# Altium PCB BLDC_DRIVER_1.1.PcbDoc
Units mil, origin at the board's own origin, x right, y up, seen from the top; angles counter-clockwise.
Board outline 6000 x 4990 mil, 6 copper layers (Top Layer, Internal Plane 1, Signal Layer 1, Signal Layer 2, Internal Plane 2, Bottom Layer), stack 51.168 mil thick; 192 components, 186 nets, 852 pads, 21 vias.
Unrouted connection lines stored in the file: 414.
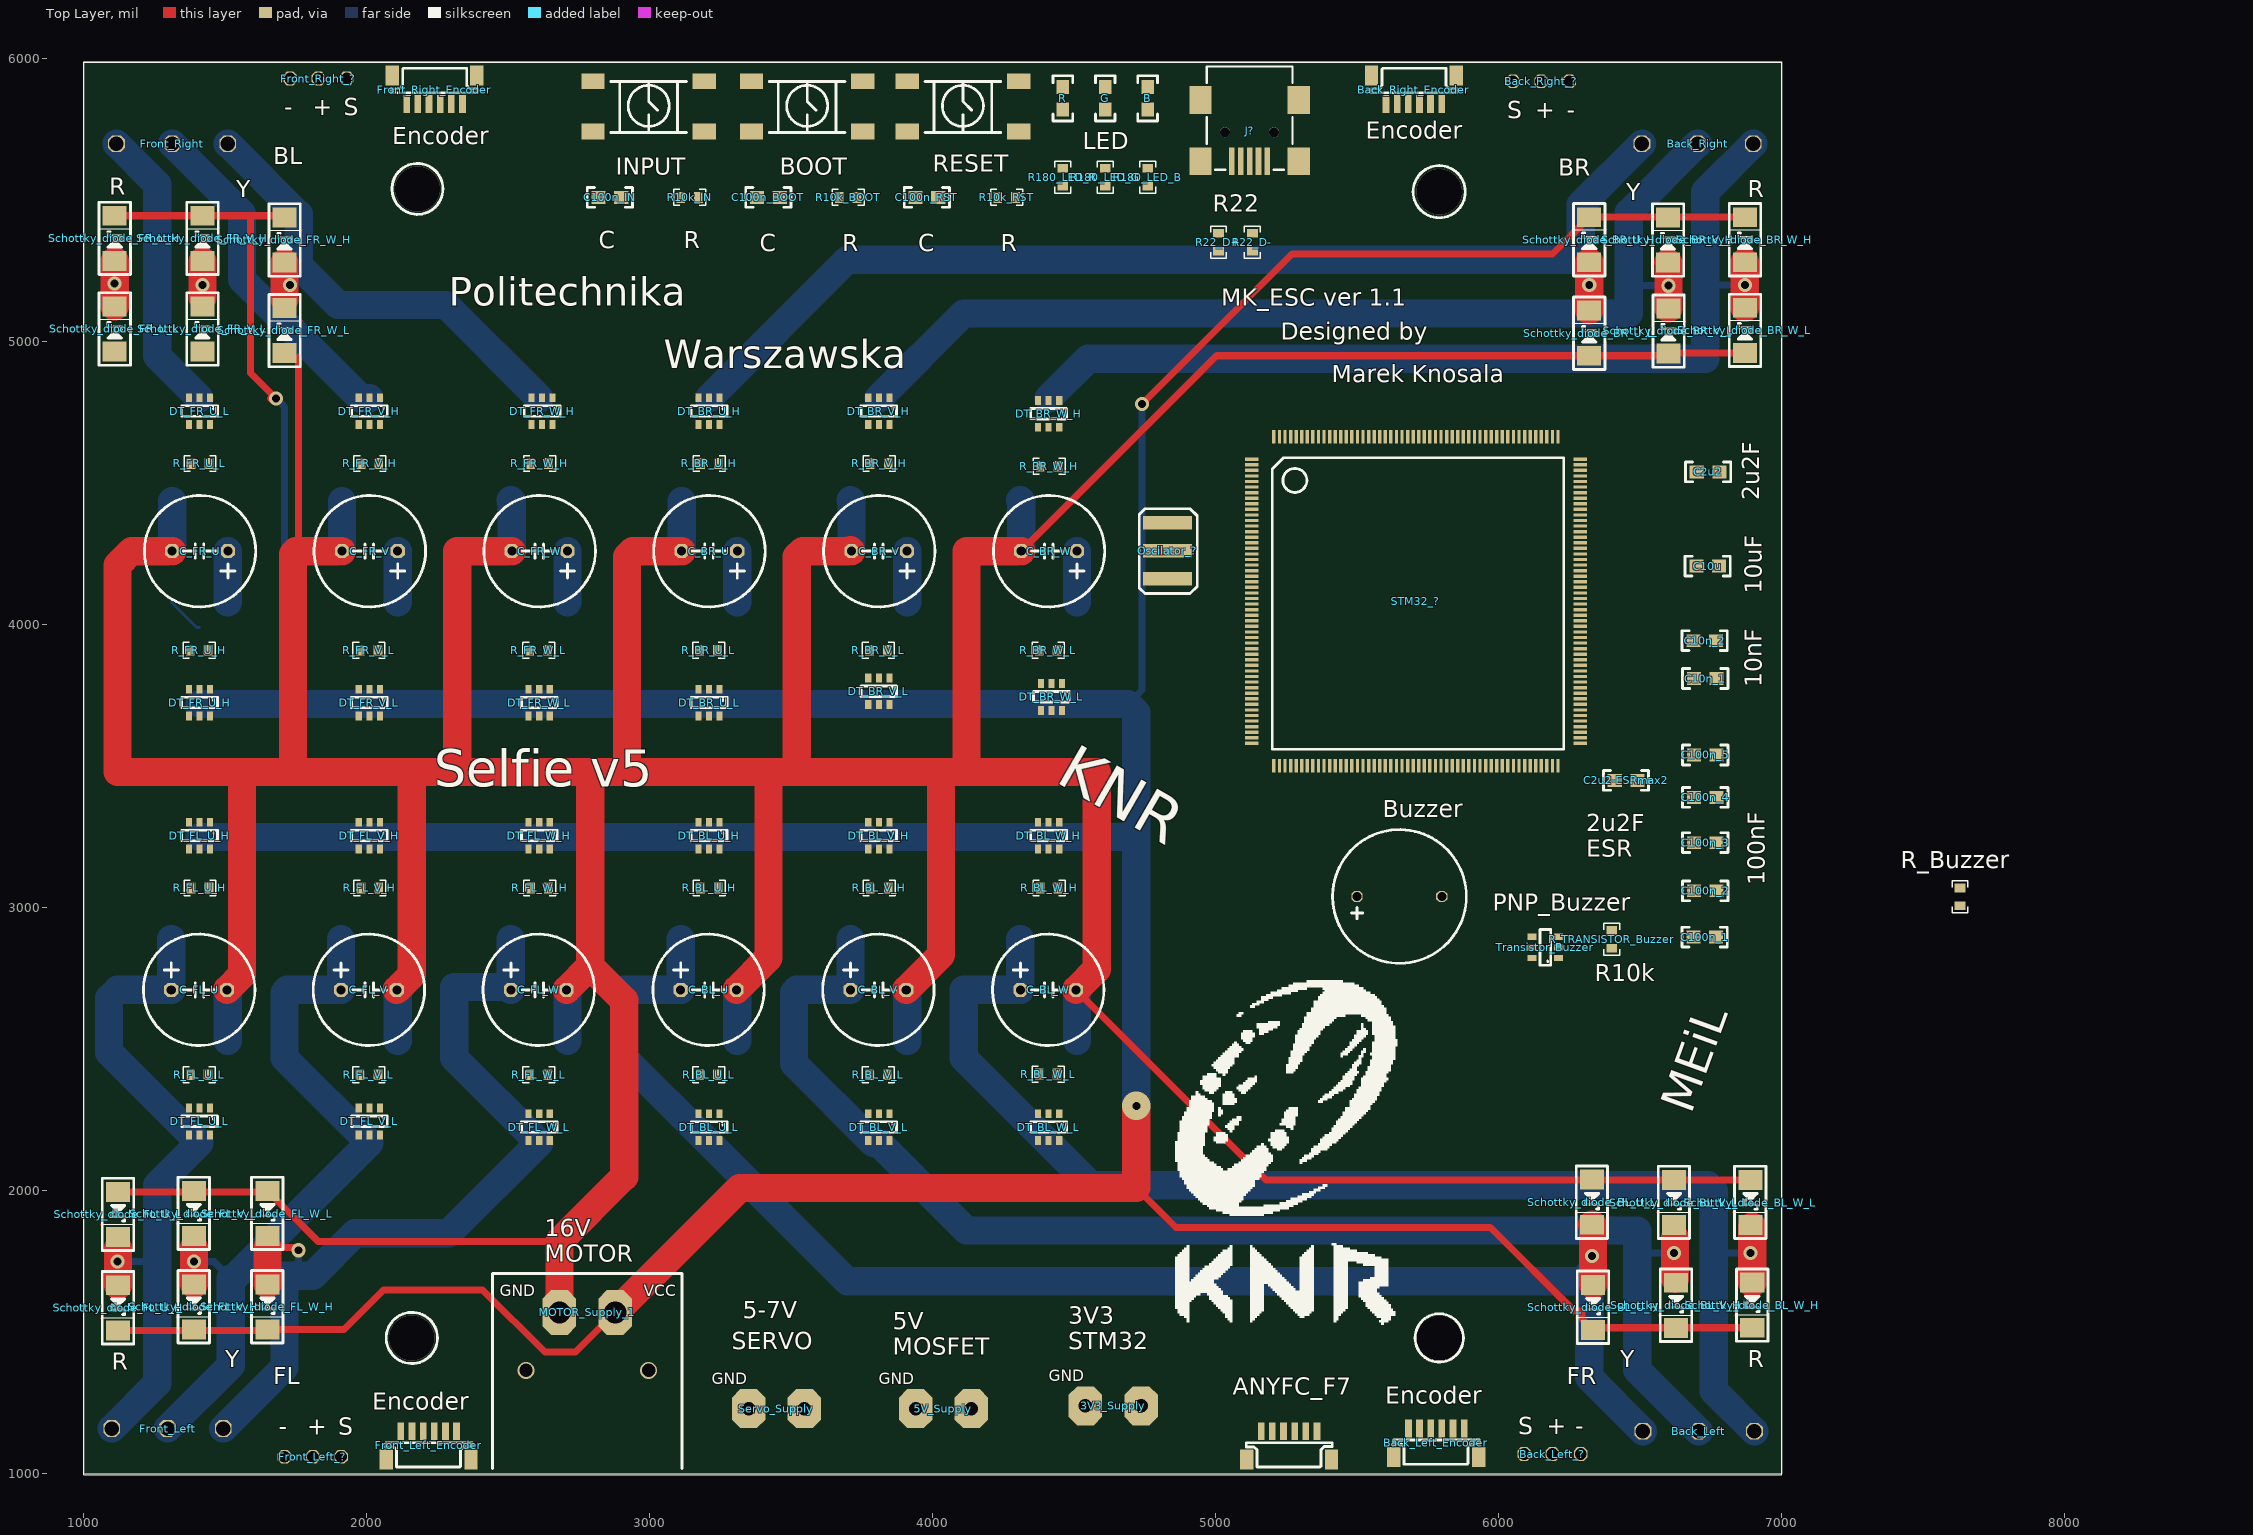
[diagram p0: Top Layer view]
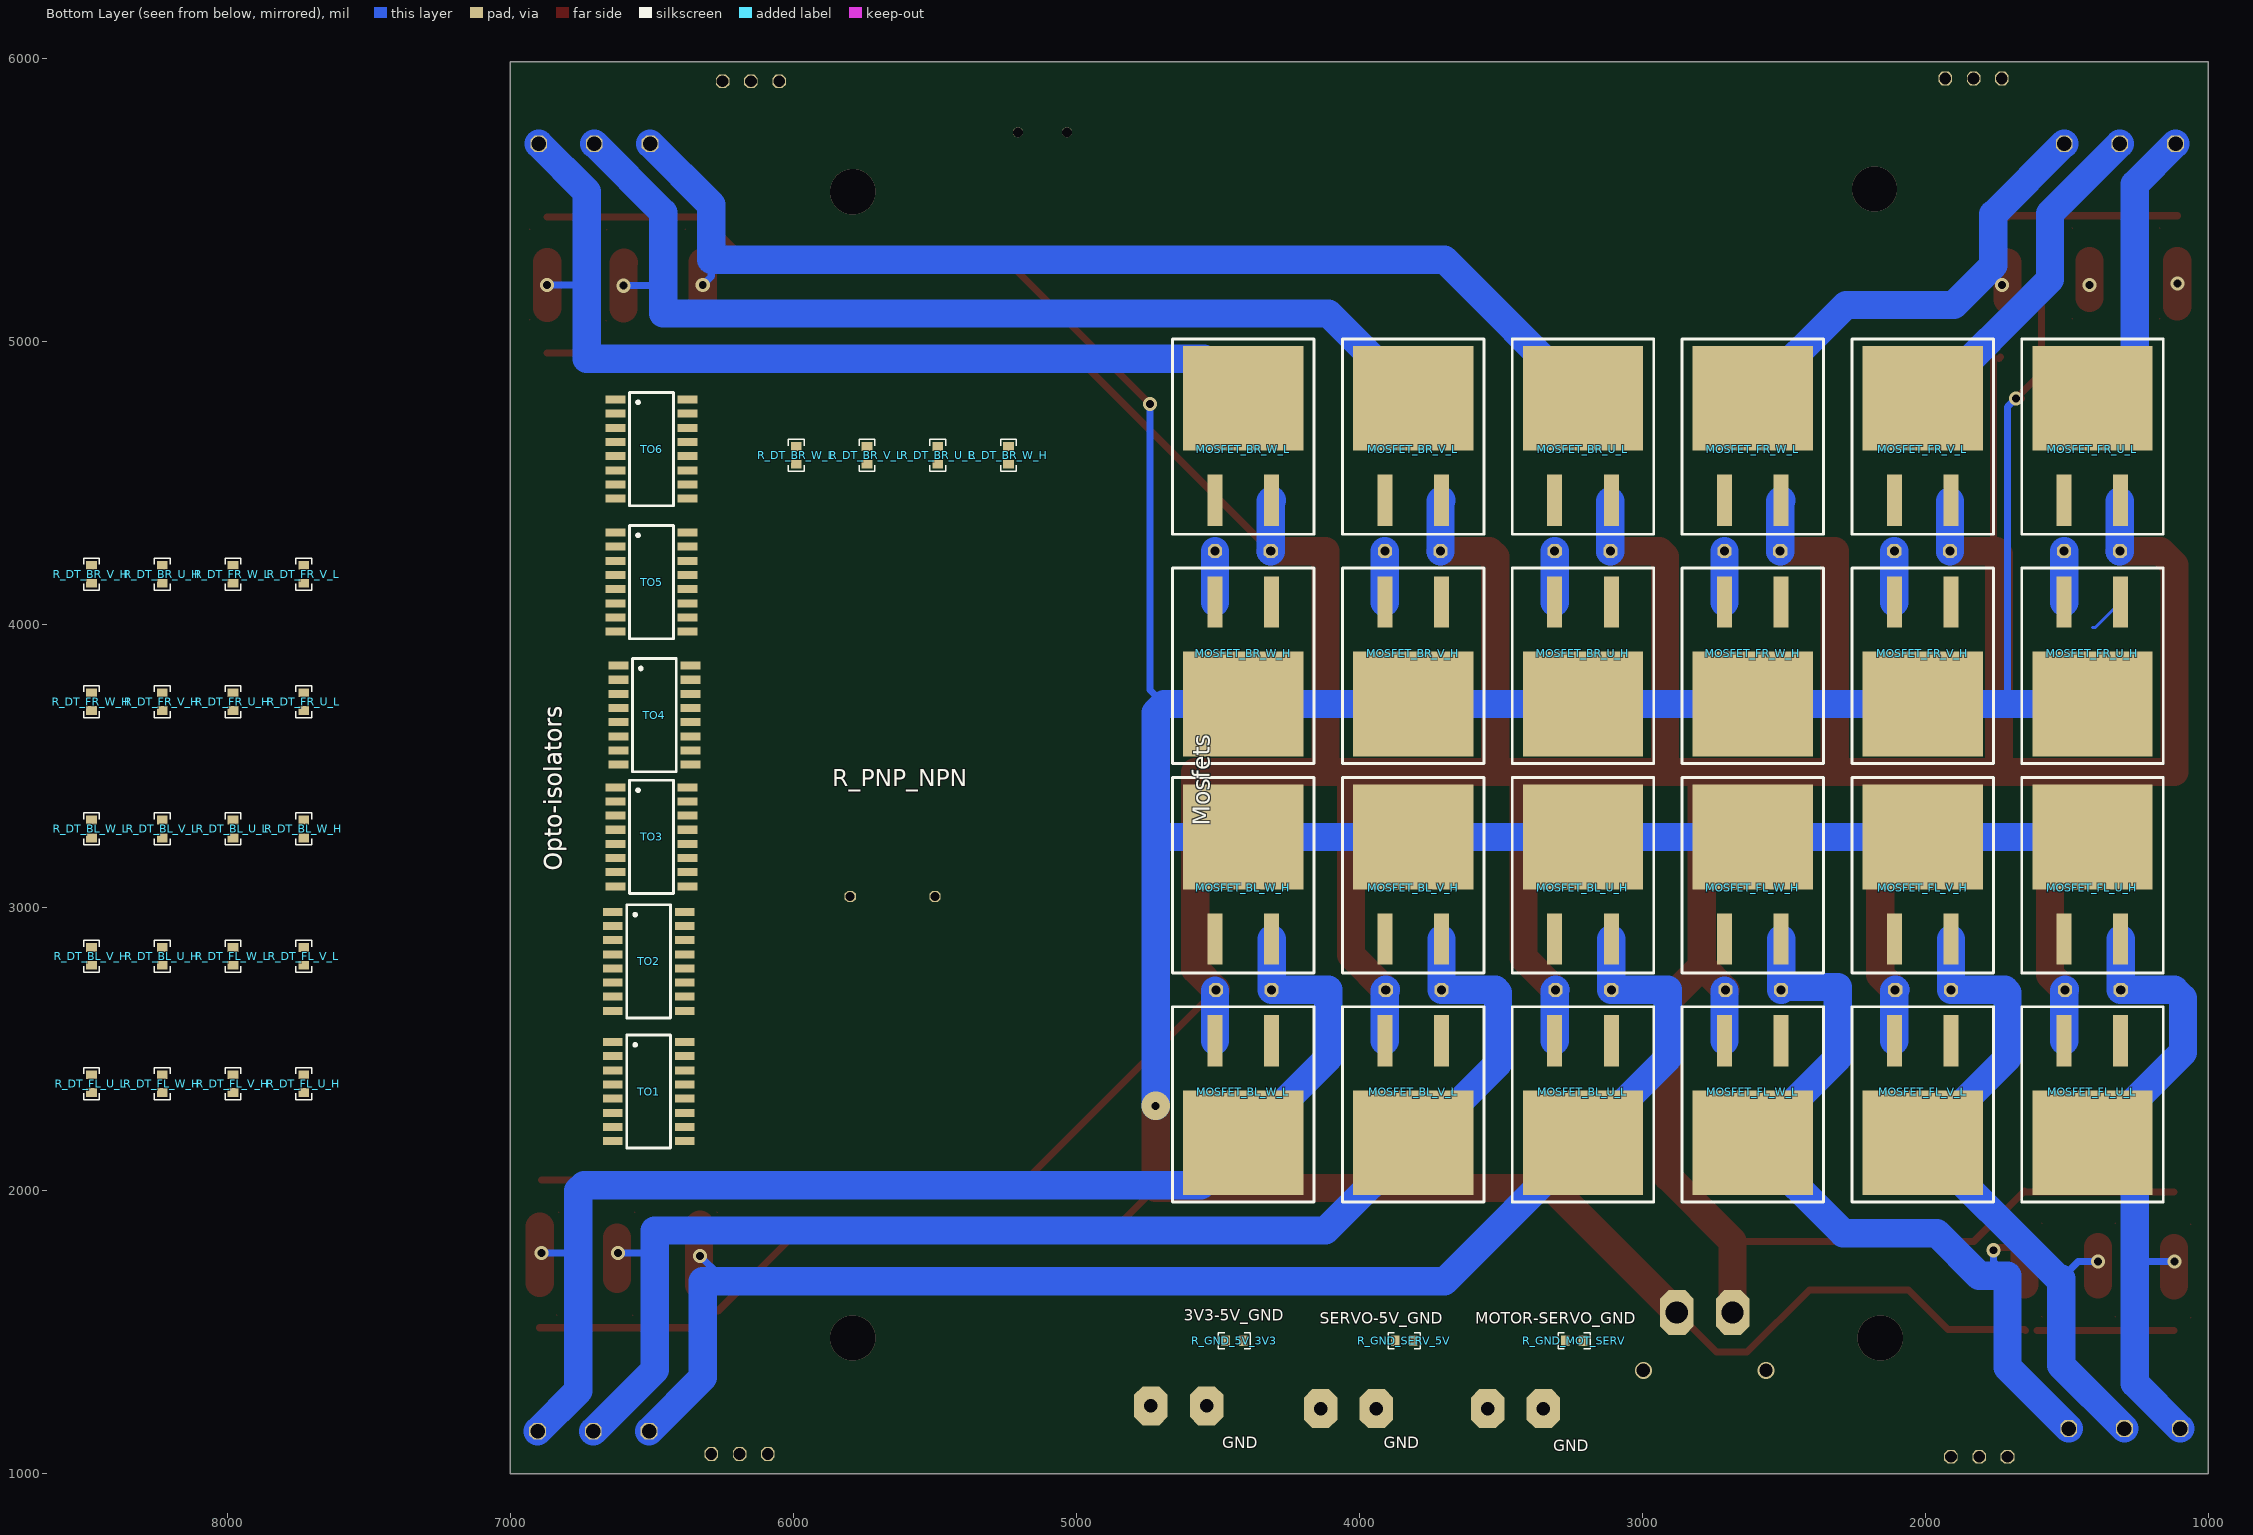
[diagram p1: Bottom Layer view, seen from below]
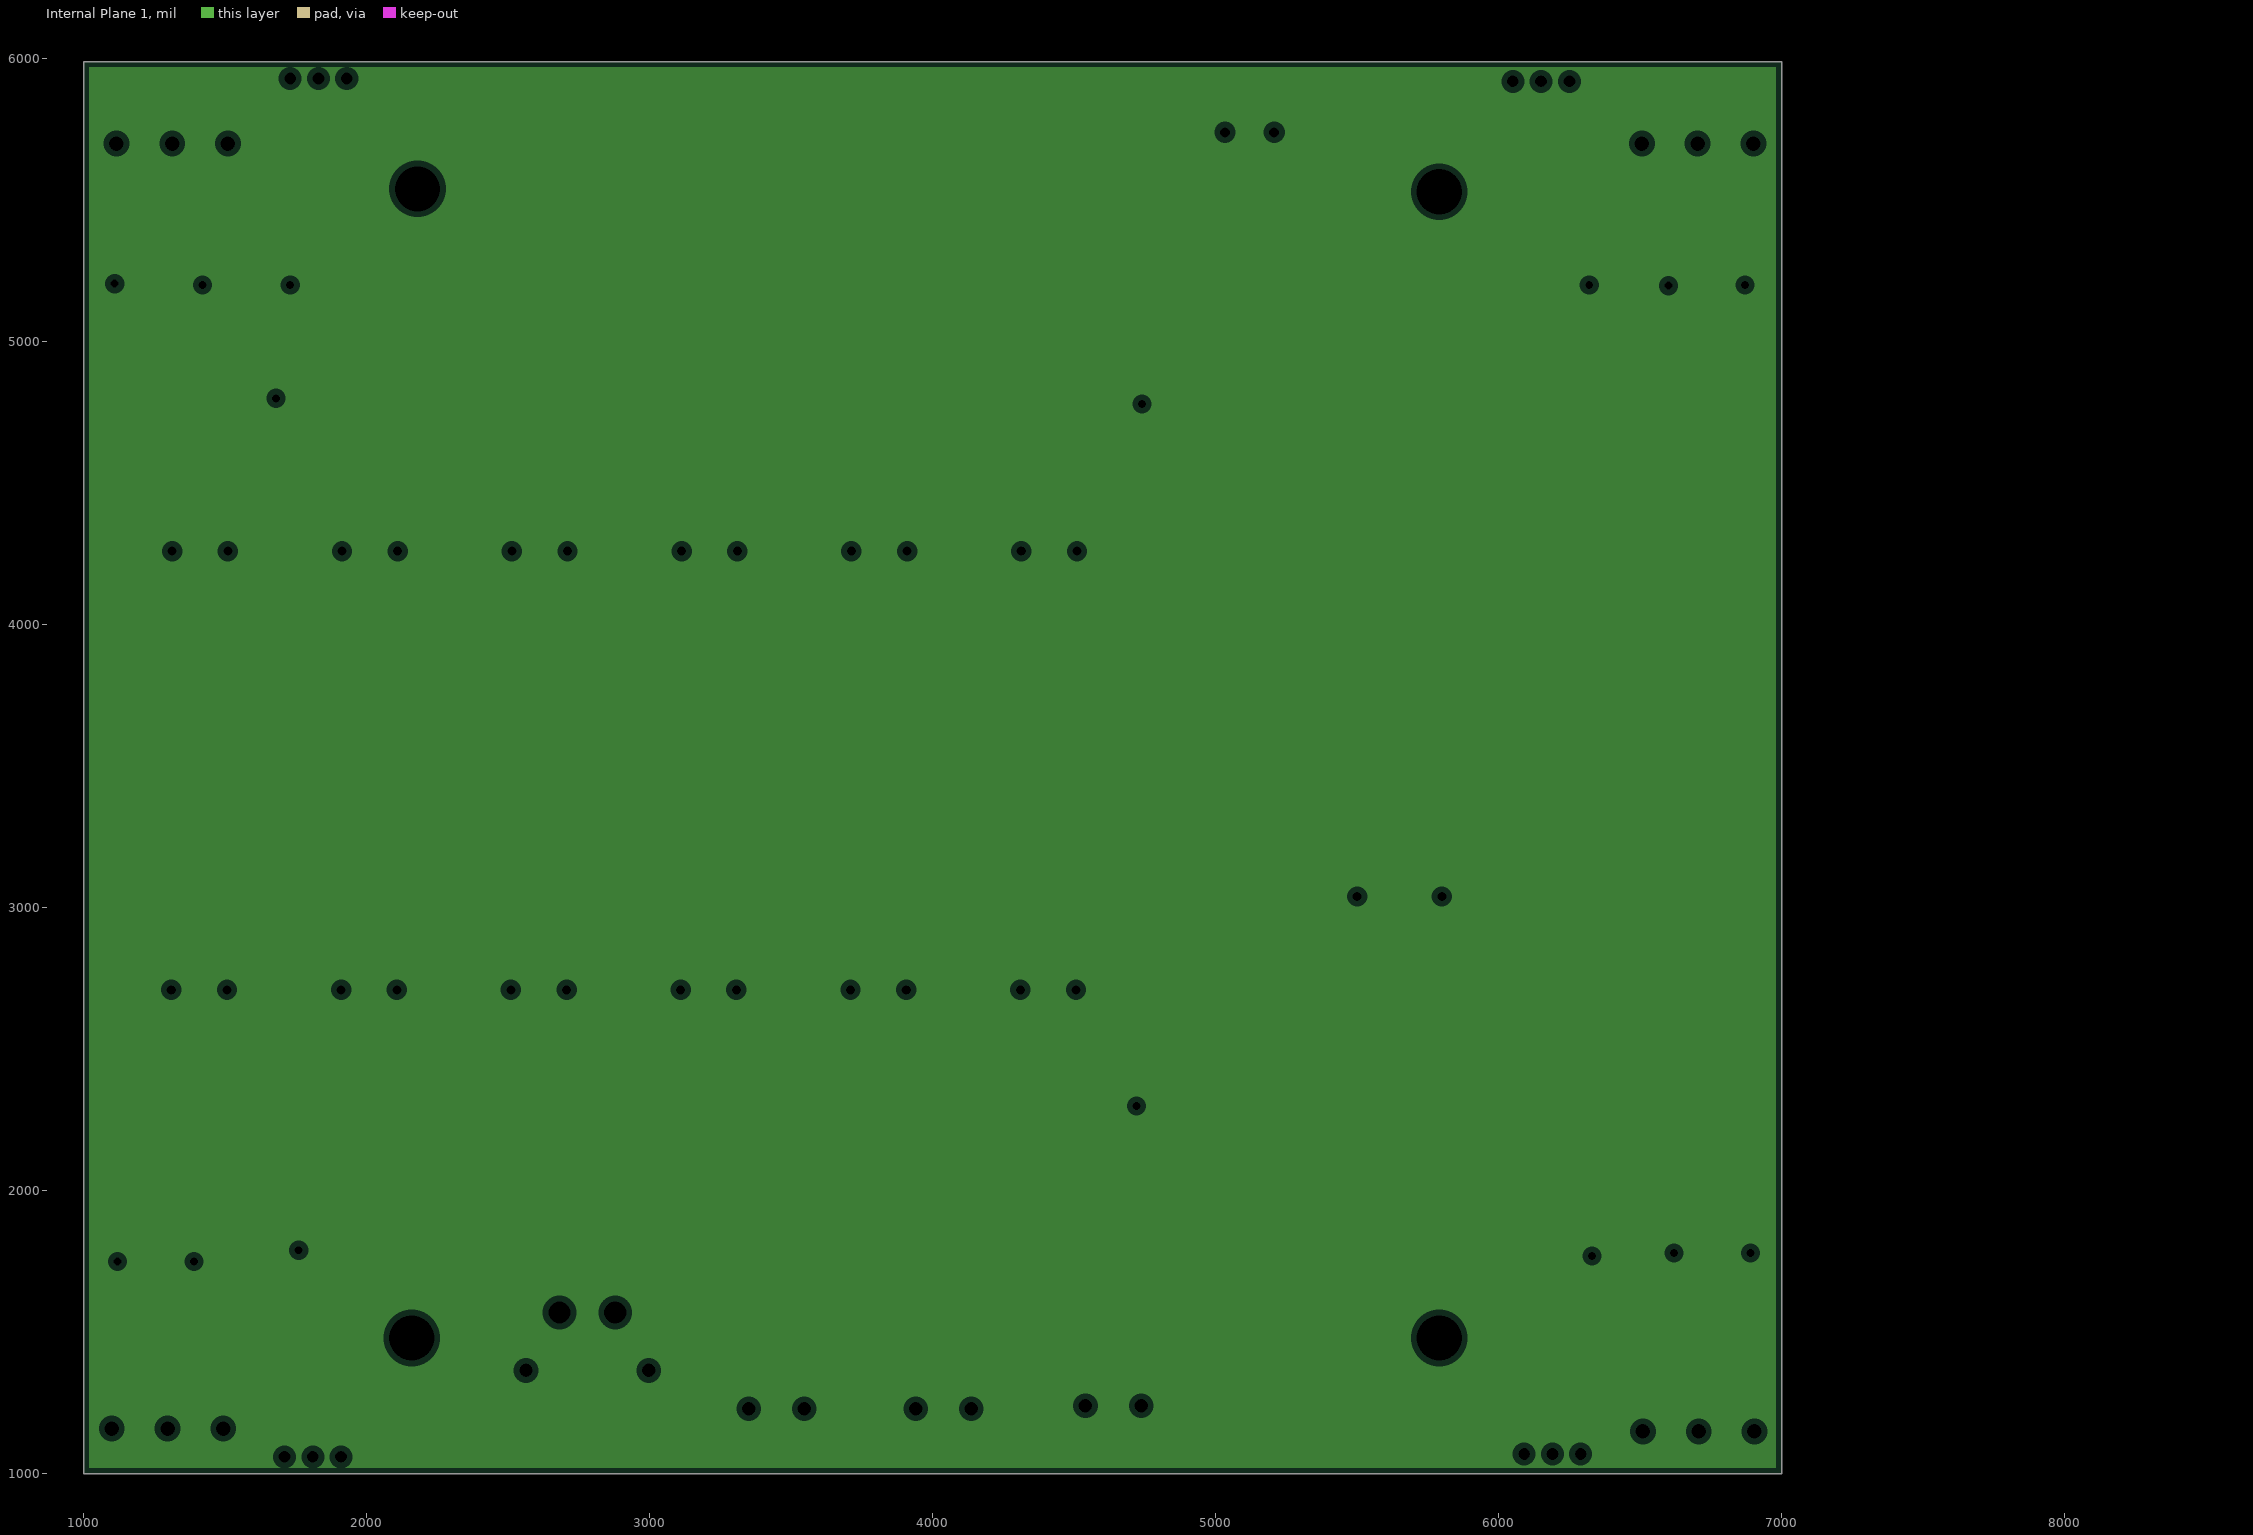
[diagram p2: Internal Plane 1, clearances drawn from the general rule]
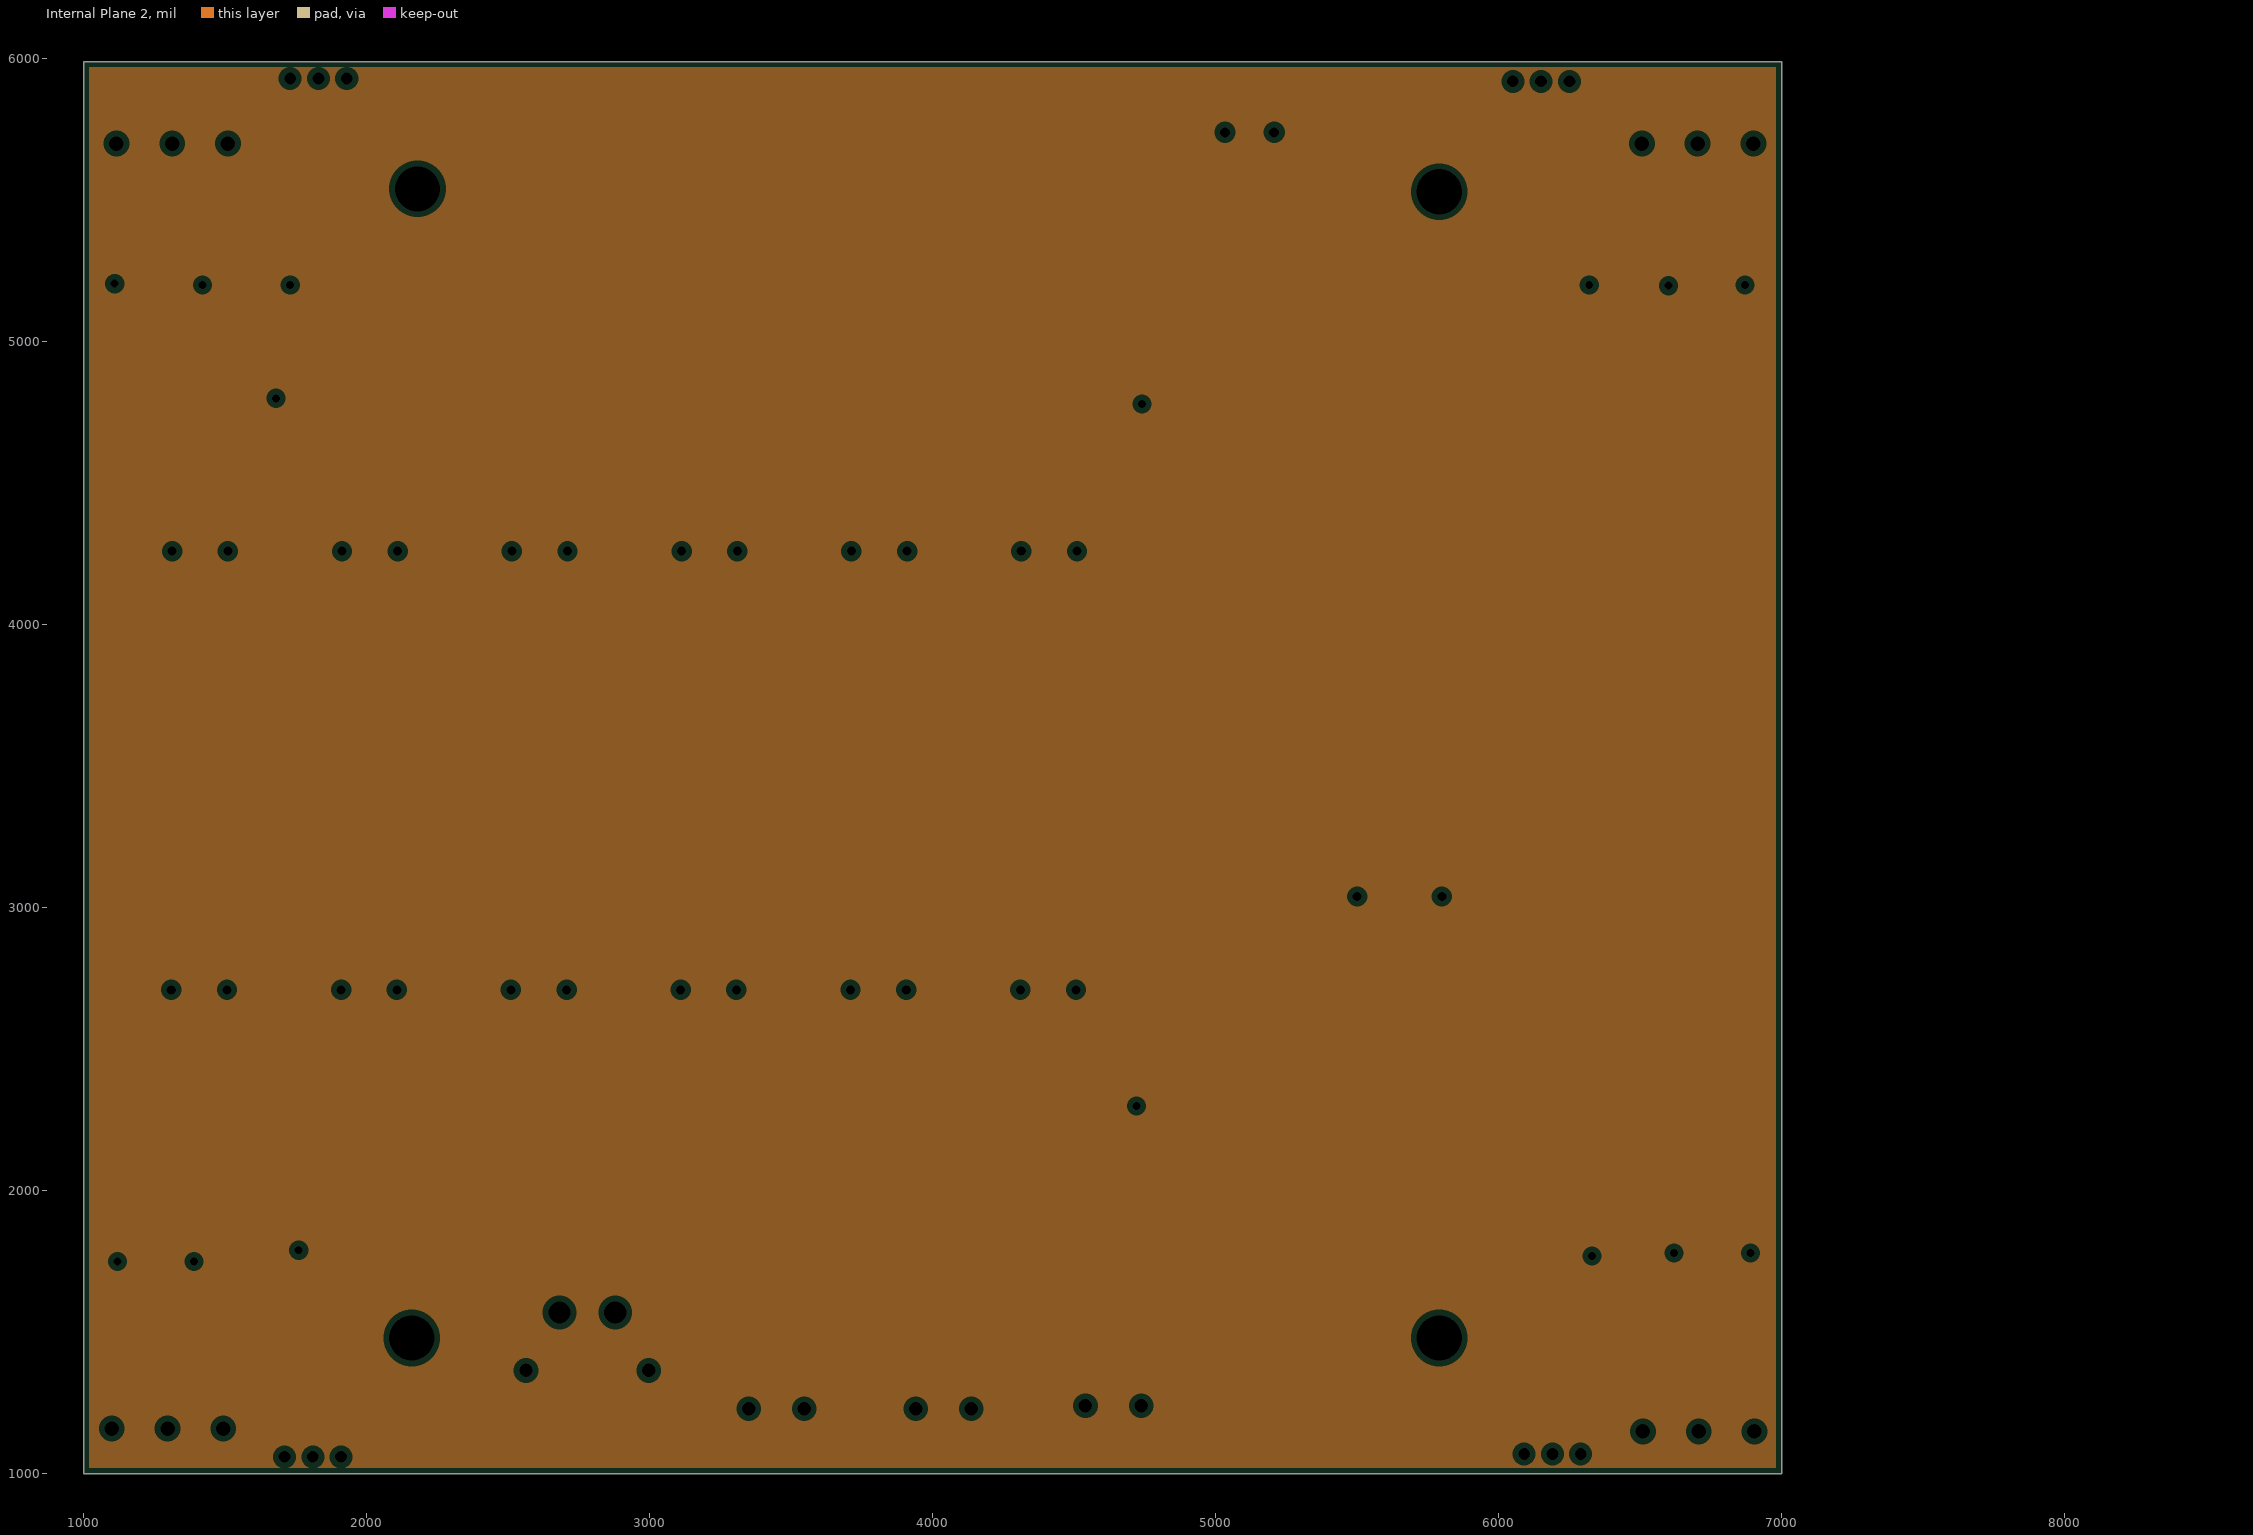
[diagram p3: Internal Plane 2, clearances drawn from the general rule]

## Layer stack, top to bottom
Top Solder: solder mask 0.4, Solder Resist, Dk 3.5
Top Layer: signal copper 4.1
Dielectric 1: core 10, FR-4, Dk 4.2
Internal Plane 1: plane copper 1.417
Dielectric 3: prepreg 5, Dk 4.2
Signal Layer 1: signal copper 1.417
Dielectric 2: core 10, Dk 4.2
Signal Layer 2: signal copper 1.417
Dielectric 5: prepreg 5, Dk 4.2
Internal Plane 2: plane copper 1.417
Dielectric 4: core 10, Dk 4.2
Bottom Layer: signal copper 1.4
Bottom Solder: solder mask 0.4, Solder Resist, Dk 3.5

## Board outline
1000,1000 7000,1000 7000,5990 1000,5990

## Design rules (kind name [scope] priority, off if disabled: settings)
Clearance [All] p1: gap=8
PlaneClearance [All] p1: clearance=20
PlaneConnect [All] p1: planeconnectstyle=Relief reliefexpansion=20 reliefentries=4 reliefconductorwidth=10 reliefairgap=10
PolygonConnect [All] p1: connectstyle=Relief reliefconductorwidth=10 reliefentries=4 polygonreliefangle="90 Angle" airgapwidth=10
RoutingVias [All] p1: holewidth=28 width=50 viastyle="Through Hole" minholewidth=28 minwidth=50 maxholewidth=28 maxwidth=50
SolderMaskExpansion [All] p1: expansion=4
Width [All] p1: maxlimit=100 minlimit=10 preferedwidth=30 toplayer_prefwidth=10 midlayer1_maxwidth=50 midlayer2_maxwidth=50 bottomlayer_prefwidth=20 minimp=50.000000 maximp=50.000000 favimp=50.000000
28 further rules are at their usual default settings.

## Components (designator, comment, footprint, x,y, rotation, side; value= is the part's Value field where it differs from the comment)
3V3_Supply "2-pin" 2-pin-zielony-prosty 4540,1240 r0 top
5V_Supply "2-pin" 2-pin-zielony-prosty 3940,1230 r0 top
ANYFC_F7 "SPI" "JST SR SH 1.0 TOP" 5110,1050 r0 top
B "LED" 0603 4760,5820 r90 top
Back_Left "3_phase_engine_con" DG300-5.0-03P-12-00A 6510,1150 r0 top
Back_Left_? "Servo_con" Raster_2.54_3pin 6290,1070 r180 top
Back_Left_Encoder "SPI" "JST SR SH 1.0 TOP" 5630,1060 r0 top
Back_Right "3_phase_engine_con" DG300R-5.0-03P-12-00A(H) 6900,5700 r180 top
Back_Right_? "Servo_con" Raster_2.54_3pin 6250,5920 r180 top
Back_Right_Encoder "SPI" "JST SR SH 1.0 TOP" 5850,5940 r180 top
BOOT "Tact_Switch" "LSH Gullwing" 3360,5920 r180 top
Buzzer "LD-BZEG-1205/3" Buzzer_LOUDITY 5500,3040 r180 top
C2u2 "Cap" 0603 6780,4540 r180 top
C2u2-ESRmax2 "Cap" 0603 6490,3450 r180 top
C10n_1 "Cap" 0603 6770,3810 r180 top
C10n_2 "Cap" 0603 6767.95,3943.51 r180 top
C10u "Cap" 0603 6778.58,4207.22 r180 top
C100n_1 "Cap" 0603 6767.95,2896.35 r180 top
C100n_2 "Cap" 0603 6770,3060 r180 top
C100n_3 "Cap" 0603 6770,3230 r180 top
C100n_4 "Cap" 0603 6770,3390 r180 top
C100n_5 "Cap" 0603 6770,3540 r180 top
C100n_BOOT "Cap" 0603 3460,5510 r180 top
C100n_IN "Cap" 0603 2900,5510 r180 top
C100n_RST "Cap" 0603 4020,5510 r180 top
C_BL_U "Cap_pol" 5mm 3110,2710 r0 top
C_BL_V "Cap_pol" 5mm 3710,2710 r0 top
C_BL_W "Cap_pol" 5mm 4310,2710 r0 top
C_BR_U "Cap_pol" 5mm 3310,4260 r180 top
C_BR_V "Cap_pol" 5mm 3910,4260 r180 top
C_BR_W "Cap_pol" 5mm 4510,4260 r180 top
C_FL_U "Cap_pol" 5mm 1310,2710 r0 top
C_FL_V "Cap_pol" 5mm 1910,2710 r0 top
C_FL_W "Cap_pol" 5mm 2510,2710 r0 top
C_FR_U "Cap_pol" 5mm 1510,4260 r180 top
C_FR_V "Cap_pol" 5mm 2110,4260 r180 top
C_FR_W "Cap_pol" 5mm 2710,4260 r180 top
DT_BL_U_H "Dual_transistors" SOT457 3210,3190 r180 top
DT_BL_U_L "Dual_transistors" SOT457 3210,2160 r180 top
DT_BL_V_H "Dual_transistors" SOT457 3810,3190 r180 top
DT_BL_V_L "Dual_transistors" SOT457 3810,2160 r180 top
DT_BL_W_H "Dual_transistors" SOT457 4410,3190 r180 top
DT_BL_W_L "Dual_transistors" SOT457 4410,2160 r180 top
DT_BR_U_H "Dual_transistors" SOT457 3210,4690 r180 top
DT_BR_U_L "Dual_transistors" SOT457 3210,3660 r180 top
DT_BR_V_H "Dual_transistors" SOT457 3810,4690 r180 top
DT_BR_V_L "Dual_transistors" SOT457 3810,3700 r180 top
DT_BR_W_H "Dual_transistors" SOT457 4410,4680 r180 top
DT_BR_W_L "Dual_transistors" SOT457 4420,3680 r180 top
DT_FL_U_H "Dual_transistors" SOT457 1410,3190 r180 top
DT_FL_U_L "Dual_transistors" SOT457 1410,2180 r180 top
DT_FL_V_H "Dual_transistors" SOT457 2010,3190 r180 top
DT_FL_V_L "Dual_transistors" SOT457 2010,2180 r180 top
DT_FL_W_H "Dual_transistors" SOT457 2610,3190 r180 top
DT_FL_W_L "Dual_transistors" SOT457 2610,2160 r180 top
DT_FR_U_H "Dual_transistors" SOT457 1410,3660 r180 top
DT_FR_U_L "Dual_transistors" SOT457 1410,4690 r180 top
DT_FR_V_H "Dual_transistors" SOT457 2010,4690 r180 top
DT_FR_V_L "Dual_transistors" SOT457 2010,3660 r180 top
DT_FR_W_H "Dual_transistors" SOT457 2620,4690 r180 top
DT_FR_W_L "Dual_transistors" SOT457 2610,3660 r180 top
Front_Left "3_phase_engine_con" DG300-5.0-03P-12-00A 1100,1160 r0 top
Front_Left_? "Servo_con" Raster_2.54_3pin 1710,1060 r0 top
Front_Left_Encoder "SPI" "JST SR SH 1.0 TOP" 2070,1050 r0 top
Front_Right "3_phase_engine_con" DG300R-5.0-03P-12-00A(H) 1510,5700 r180 top
Front_Right_? "Servo_con" Raster_2.54_3pin 1730,5930 r0 top
Front_Right_Encoder "SPI" "JST SR SH 1.0 TOP" 2390,5940 r180 top
G "LED" 0603 4610,5820 r90 top
INPUT "Tact_Switch" "LSH Gullwing" 2800,5920 r180 top
J? "65100516121" 65100516121 5120,5790 r180 top
MOSFET_BL_U_H "IFR1018EPbF" TO-263 3110,2890 r180 bottom
MOSFET_BL_U_L "IFR1018EPbF" TO-263 3310,2530 r0 bottom
MOSFET_BL_V_H "IFR1018EPbF" TO-263 3710,2890 r180 bottom
MOSFET_BL_V_L "IFR1018EPbF" TO-263 3910,2530 r0 bottom
MOSFET_BL_W_H "IFR1018EPbF" TO-263 4310,2890 r180 bottom
MOSFET_BL_W_L "IFR1018EPbF" TO-263 4510,2530 r0 bottom
MOSFET_BR_U_H "IFR1018EPbF" TO-263 3310,4080 r0 bottom
MOSFET_BR_U_L "IFR1018EPbF" TO-263 3110,4440 r180 bottom
MOSFET_BR_V_H "IFR1018EPbF" TO-263 3910,4080 r0 bottom
MOSFET_BR_V_L "IFR1018EPbF" TO-263 3710,4440 r180 bottom
MOSFET_BR_W_H "IFR1018EPbF" TO-263 4510,4080 r0 bottom
MOSFET_BR_W_L "IFR1018EPbF" TO-263 4310,4440 r180 bottom
MOSFET_FL_U_H "IFR1018EPbF" TO-263 1310,2890 r180 bottom
MOSFET_FL_U_L "IFR1018EPbF" TO-263 1510,2530 r0 bottom
MOSFET_FL_V_H "IFR1018EPbF" TO-263 1910,2890 r180 bottom
MOSFET_FL_V_L "IFR1018EPbF" TO-263 2110,2530 r0 bottom
MOSFET_FL_W_H "IFR1018EPbF" TO-263 2510,2890 r180 bottom
MOSFET_FL_W_L "IFR1018EPbF" TO-263 2710,2530 r0 bottom
MOSFET_FR_U_H "IFR1018EPbF" TO-263 1510,4080 r0 bottom
MOSFET_FR_U_L "IFR1018EPbF" TO-263 1310,4440 r180 bottom
MOSFET_FR_V_H "IFR1018EPbF" TO-263 2110,4080 r0 bottom
MOSFET_FR_V_L "IFR1018EPbF" TO-263 1910,4440 r180 bottom
MOSFET_FR_W_H "IFR1018EPbF" TO-263 2710,4080 r0 bottom
MOSFET_FR_W_L "IFR1018EPbF" TO-263 2510,4440 r180 bottom
MOTOR_Supply_1 "2-pin" XT30-katowy-in 2780,1570 r180 top (schematic designator MOT_OUT)
Oscilator_? "CSTCC8M00G53-R0" CSTCC8M00G53-R0 4830,4360 r270 top
R "LED" 0603 4460,5820 r90 top
R10k_BOOT "Res" R0603 3670,5510 r0 top
R10k_IN "Res" R0603 3110,5510 r0 top
R10k_RST "Res" R0603 4230,5510 r0 top
R22_D+ "Res" R0603 5010,5320 r90 top
R22_D- "Res" R0603 5130,5320 r90 top
R180_LED_B "Res" R0603 4760,5550 r90 top
R180_LED_G "Res" R0603 4610,5550 r90 top
R180_LED_R "Res" R0603 4460,5550 r90 top
R_BL_U_H "Res" R0603 3180,3070 r0 top
R_BL_U_L "Res" R0603 3240,2410 r180 top
R_BL_V_H "Res" R0603 3780,3070 r0 top
R_BL_V_L "Res" R0603 3840,2410 r180 top
R_BL_W_H "Res" R0603 4380,3070 r0 top
R_BL_W_L "Res" R0603 4440,2412.28 r180 top
R_BR_U_H "Res" R0603 3180,4570 r0 top
R_BR_U_L "Res" R0603 3240,3910 r180 top
R_BR_V_H "Res" R0603 3780,4570 r0 top
R_BR_V_L "Res" R0603 3840,3910 r180 top
R_BR_W_H "Res" R0603 4380,4560 r0 top
R_BR_W_L "Res" R0603 4440,3910 r180 top
R_Buzzer "Res" R0603 7630,3070 r270 top
R_DT_BL_U_H "Res" R0603 8230,2860 r270 bottom
R_DT_BL_U_L "Res" R0603 7980,3310 r270 bottom
R_DT_BL_V_H "Res" R0603 8480,2860 r270 bottom
R_DT_BL_V_L "Res" R0603 8230,3310 r270 bottom
R_DT_BL_W_H "Res" R0603 7730,3310 r270 bottom
R_DT_BL_W_L "Res" R0603 8480,3310 r270 bottom
R_DT_BR_U_H "Res" R0603 8230,4210 r270 bottom
R_DT_BR_U_L "Res" R0603 5490,4630 r270 bottom
R_DT_BR_V_H "Res" R0603 8480,4210 r270 bottom
R_DT_BR_V_L "Res" R0603 5740,4630 r270 bottom
R_DT_BR_W_H "Res" R0603 5240,4630 r270 bottom
R_DT_BR_W_L "Res" R0603 5990,4630 r270 bottom
R_DT_FL_U_H "Res" R0603 7730,2410 r270 bottom
R_DT_FL_U_L "Res" R0603 8480,2410 r270 bottom
R_DT_FL_V_H "Res" R0603 7980,2410 r270 bottom
R_DT_FL_V_L "Res" R0603 7730,2860 r270 bottom
R_DT_FL_W_H "Res" R0603 8230,2410 r270 bottom